# Altium PCB LimeSDR-X3_1v2.PcbDoc (part 14 of 25) (continued)
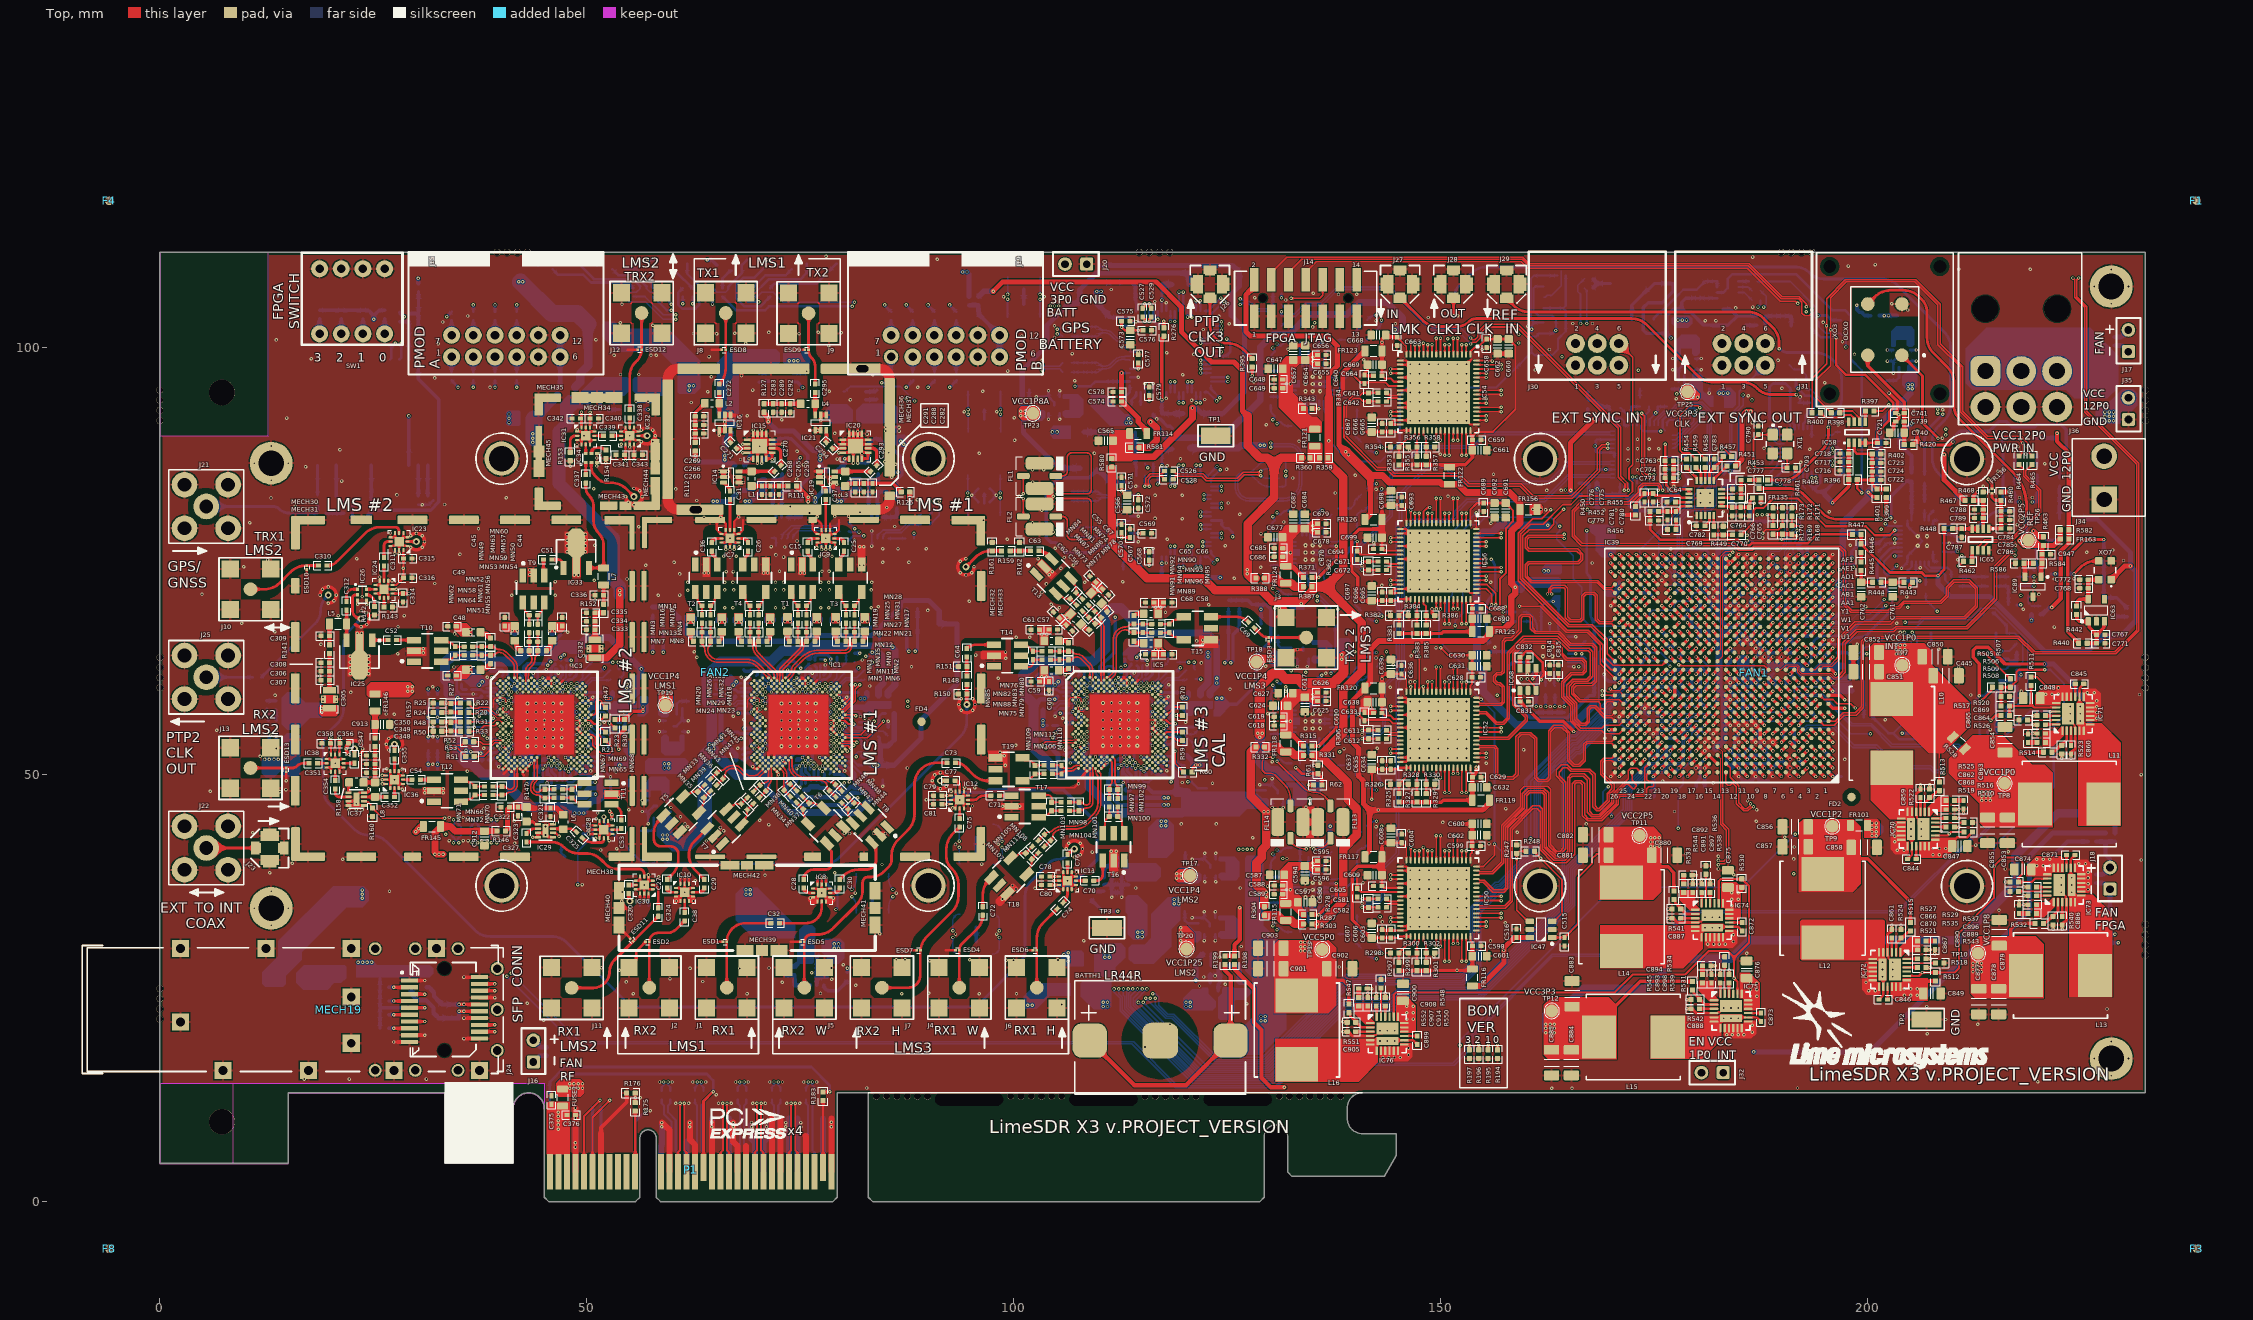
[diagram p0: Top view]
## Nets (pads, with @x,y where several pads share a name; then routed paths per layer and width w, separated by ;. In a path a pad name is that pad's centre, name@x,y a point inside that pad or via, vN(x,y) a via of type N, cw(c..) or ccw(c..) an arc to the next point about the centre after c; other vN are vias at no path point) (continued)
  Bottom w0.254: v1(121.853,97.028) IC49.65@123.078,97.028
LMS2_BB_DAC2_B6_P: IC39.E1 IC49.64 | length 198
  Top w0.4: IC39.E1@195.375,54.275 v1(195.875,53.775)
  L4 w0.1: v1(121.853,97.528) 121.794,97.528 121.644,97.378 121.145,97.378 120.875,97.108 120.875,96.451 121.451,95.875 123.208,95.875 123.475,96.142 123.475,97.575 123.625,97.725 129.175,97.725 129.425,97.475 129.425,95.4 129.225,95.2 127.842,95.2 127.575,94.933 127.575,94.342 127.942,93.975 128.625,93.975 128.909,93.691 128.909,92.659 129.242,92.325 130.942,92.325 132.092,91.175 132.533,91.175 132.825,91.467 132.825,93.15 132.95,93.275 133.538,93.275 134.175,93.275 135.425,92.025 135.792,92.025 136.567,92.8 137.466,92.8 139.016,91.25 139.658,91.25 140.233,91.825 140.941,91.825 142.741,90.025 146.017,90.025 146.542,89.5 146.869,89.5 cw(c146.869,89.285) 147.084,89.285 147.084,89.054 ccw(c147.499,89.054) 147.499,88.639 147.569,88.639 ccw(c147.569,89.054) 147.984,89.054 147.984,90.705 cw(c148.199,90.705) 148.199,90.92 148.269,90.92 cw(c148.269,90.705) 148.484,90.705 148.484,89.915 ccw(c148.899,89.915) 148.899,89.5 148.969,89.5 ccw(c148.969,89.915) 149.384,89.915 149.384,90.636 cw(c149.599,90.636) 149.599,90.851 149.669,90.851 cw(c149.669,90.636) 149.884,90.636 149.884,89.915 ccw(c150.299,89.915) 150.299,89.5 150.369,89.5 ccw(c150.369,89.915) 150.784,89.915 150.784,90.66 cw(c150.999,90.66) 150.999,90.875 151.069,90.875 cw(c151.069,90.66) 151.284,90.66 151.284,89.915 ccw(c151.699,89.915) 151.699,89.5 151.769,89.5 ccw(c151.769,89.915) 152.184,89.915 152.184,90.805 cw(c152.399,90.805) 152.399,91.02 152.469,91.02 cw(c152.469,90.805) 152.684,90.805 152.684,88.859 ccw(c153.099,88.859) 153.099,88.444 153.169,88.444 ccw(c153.169,88.859) 153.584,88.859 153.584,91.288 cw(c153.799,91.288) 153.799,91.503 153.869,91.503 cw(c153.869,91.288) 154.084,91.288 154.084,89.29 ccw(c154.499,89.29) 154.499,88.875 154.569,88.875 ccw(c154.569,89.29) 154.984,89.29 154.984,90.736 cw(c155.199,90.736) 155.199,90.951 155.269,90.951 cw(c155.269,90.736) 155.484,90.736 155.484,89.54 ccw(c155.899,89.54) 155.899,89.125 155.969,89.125 ccw(c155.969,89.54) 156.384,89.54 156.384,91.837 cw(c156.599,91.837) 156.599,92.052 156.669,92.052 cw(c156.669,91.837) 156.884,91.837 156.884,89.915 ccw(c157.299,89.915) 157.299,89.5 157.925,89.5 159.7,91.275 163.592,91.275 164.675,90.192 164.675,86.475 165.225,85.925 167,85.925 167.525,86.45 167.525,93.042 167.783,93.3 168.2,93.3 168.4,93.1 168.4,88.4 169.2,87.6 170.083,87.6 172.133,89.65 174.692,89.65 175.192,89.15 177.342,89.15 177.892,89.7 197.074,89.7 208.875,77.899 208.875,76.842 209.725,75.992 209.725,60.55 204.625,55.45 204.625,54.5 204.344,54.219 203.944,54.219 203.781,54.056 203.781,53.656 203.5,53.375 203.084,53.375 ccw(c203.084,52.965) 202.674,52.965 cw(c202.459,52.965) 202.459,52.75 202.389,52.75 cw(c202.389,52.965) 202.174,52.965 202.174,53.56 ccw(c201.759,53.56) 201.759,53.975 201.689,53.975 ccw(c201.689,53.56) 201.274,53.56 201.274,52.965 cw(c201.059,52.965) 201.059,52.75 200.989,52.75 cw(c200.989,52.965) 200.774,52.965 200.774,53.56 ccw(c200.359,53.56) 200.359,53.975 200.289,53.975 ccw(c200.289,53.56) 199.874,53.56 199.874,52.965 cw(c199.659,52.965) 199.659,52.75 199.589,52.75 cw(c199.589,52.965) 199.374,52.965 199.374,53.56 ccw(c198.959,53.56) 198.959,53.975 198.889,53.975 ccw(c198.889,53.56) 198.474,53.56 198.474,52.965 cw(c198.259,52.965) 198.259,52.75 198.189,52.75 cw(c198.189,52.965) 197.974,52.965 197.974,53.56 ccw(c197.559,53.56) 197.559,53.975 197.489,53.975 ccw(c197.489,53.56) 197.074,53.56 cw(c196.889,53.56) 196.889,53.375 196.275,53.375 v1(195.875,53.775)
  Bottom w0.254: v1(121.853,97.528) IC49.64@123.078,97.528
LMS2_BB_DAC2_B7_N: IC39.B1 IC49.63 | length 198.4
  Top w0.4: IC39.B1@195.375,51.275 v1(195.875,50.775)
  L4 w0.1: v1(121.853,98.028) 121.794,98.028 121.644,98.178 118.103,98.178 117.55,97.625 116.692,97.625 116.375,97.942 116.375,99.683 116.742,100.05 121.983,100.05 123.655,98.378 129.73,98.378 130.05,98.058 130.05,95.117 129.509,94.576 129.509,93.141 129.725,92.925 131.191,92.925 131.566,92.55 132.092,92.55 132.225,92.683 132.225,93.399 132.701,93.875 133.036,93.875 134.424,93.875 134.849,93.45 137.664,93.45 138.664,92.45 141.164,92.45 142.939,90.675 146.65,90.675 146.85,90.875 146.85,93.951 147.199,94.3 147.578,94.3 147.699,94.3 148.125,93.874 148.125,92.375 148.375,92.125 148.9,92.125 149.05,92.275 149.05,93.9 149.45,94.3 149.983,94.3 150.35,93.933 150.35,92.325 150.525,92.15 151,92.15 151.25,92.4 151.25,93.914 151.636,94.3 152.208,94.3 152.55,93.958 152.55,92.333 152.766,92.116 153.966,92.116 154.325,92.475 154.325,94.308 154.592,94.575 155.65,94.575 156.575,93.65 157.358,93.65 157.675,93.333 157.675,90.875 157.875,90.675 158.251,90.675 159.451,91.875 164.775,91.875 165.3,91.35 165.3,86.725 165.475,86.55 166.7,86.55 166.925,86.775 166.925,93.424 167.401,93.9 168.449,93.9 169,93.349 169,89.783 169.508,89.275 170.575,89.275 170.947,89.647 170.947,94.53 171.642,95.225 186.05,95.225 188.925,92.35 193.483,92.35 194.264,91.569 196.668,91.569 212.05,76.187 212.05,62.9 212.75,62.2 212.75,60.592 203.333,51.175 196.275,51.175 v1(195.875,50.775)
  Bottom w0.254: v1(121.853,98.028) IC49.63@123.078,98.028
LMS2_BB_DAC2_B7_P: IC39.C1 IC49.62 | length 197.5
  Top w0.4: IC39.C1@195.375,52.275 v1(195.875,51.775)
  L4 w0.1: v1(121.853,98.528) 121.794,98.528 121.644,98.378 120.738,98.378 120.191,98.925 119.875,98.925 119.328,98.378 118.02,98.378 117.467,97.825 116.775,97.825 116.575,98.025 116.575,99.6 116.825,99.85 121.9,99.85 123.572,98.178 129.647,98.178 129.85,97.975 129.85,95.2 129.309,94.659 129.309,93.059 129.642,92.725 131.108,92.725 131.483,92.35 132.175,92.35 132.425,92.6 132.425,93.316 132.784,93.675 133.119,93.675 134.341,93.675 134.766,93.25 137.581,93.25 138.581,92.25 141.081,92.25 142.856,90.475 146.733,90.475 147.05,90.792 147.05,93.869 147.281,94.1 147.616,94.1 147.925,93.791 147.925,92.292 148.292,91.925 148.983,91.925 149.25,92.192 149.25,93.817 149.533,94.1 149.9,94.1 150.15,93.85 150.15,92.242 150.442,91.95 151.083,91.95 151.45,92.317 151.45,93.831 151.719,94.1 152.125,94.1 152.35,93.875 152.35,92.25 152.684,91.916 154.049,91.916 154.525,92.392 154.525,94.225 154.675,94.375 155.567,94.375 156.492,93.45 157.275,93.45 157.475,93.25 157.475,90.792 157.792,90.475 158.334,90.475 159.534,91.675 164.692,91.675 165.1,91.267 165.1,86.642 165.392,86.35 166.783,86.35 167.125,86.692 167.125,93.341 167.484,93.7 168.366,93.7 168.8,93.266 168.8,89.7 169.425,89.075 170.658,89.075 171.147,89.564 171.147,94.447 171.725,95.025 185.967,95.025 188.725,92.267 188.842,92.15 193.4,92.15 194.181,91.369 196.586,91.369 211.85,76.104 211.85,68.659 211.85,62.817 212.55,62.117 212.55,60.675 203.25,51.375 196.275,51.375 v1(195.875,51.775)
  Bottom w0.254: v1(121.853,98.528) IC49.62@123.078,98.528
LMS2_BB_DAC2_B8_N: IC39.C3 IC49.60 | length 197.2
  Top w0.4: IC39.C3@193.375,52.275 v1(193.875,51.775)
  L4 w0.1: v1(124.303,99.528) 124.245,99.528 124.095,99.678 123.67,99.678 123.475,99.483 123.475,99.125 123.8,98.8 129.874,98.8 130.45,98.224 130.45,94.951 129.925,94.426 129.925,93.675 130.275,93.325 131.586,93.325 132.536,94.275 134.589,94.275 135.014,93.85 137.83,93.85 138.83,92.85 141.33,92.85 143.105,91.075 145.425,91.075 145.75,91.4 145.75,94.967 146.133,95.35 147.277,95.35 147.535,95.35 147.749,95.35 148.1,94.999 148.1,94.55 148.325,94.325 148.8,94.325 149.05,94.575 149.05,95.027 149.373,95.35 149.958,95.35 150.35,94.958 150.35,94.5 150.55,94.3 151,94.3 151.275,94.575 151.275,95.055 151.57,95.35 151.735,95.35 152.09,95.35 152.173,95.35 152.55,94.973 152.55,94.55 152.75,94.35 153.55,94.35 154.2,95 155.791,95 156.741,94.05 157.524,94.05 158.075,93.499 158.075,91.75 158.25,91.575 158.586,91.575 159.286,92.275 159.746,92.275 ccw(c159.746,92.49) 159.961,92.49 159.961,94.748 cw(c160.376,94.748) 160.376,95.163 160.446,95.163 cw(c160.446,94.748) 160.861,94.748 160.861,92.49 ccw(c161.076,92.49) 161.076,92.275 161.146,92.275 ccw(c161.146,92.49) 161.361,92.49 161.361,94.748 cw(c161.776,94.748) 161.776,95.163 161.846,95.163 cw(c161.846,94.748) 162.261,94.748 162.261,92.49 ccw(c162.476,92.49) 162.476,92.275 162.546,92.275 ccw(c162.546,92.49) 162.761,92.49 162.761,94.748 cw(c163.176,94.748) 163.176,95.163 163.246,95.163 cw(c163.246,94.748) 163.661,94.748 163.661,92.49 ccw(c163.876,92.49) 163.876,92.275 165.199,92.275 165.7,91.774 165.7,87.175 165.925,86.95 166.325,86.95 166.525,87.15 166.525,93.589 167.236,94.3 168.614,94.3 169.4,93.514 169.4,90.508 169.633,90.275 170.242,90.275 170.547,90.58 170.547,94.695 171.476,95.625 171.937,95.625 186.233,95.625 189.108,92.75 193.649,92.75 194.43,91.969 196.834,91.969 212.45,76.353 212.45,63.349 213.15,62.649 213.15,60.05 212.65,59.55 212.65,58.667 204.158,50.175 200.105,50.175 cw(c200.105,50.56) 199.72,50.56 ccw(c199.505,50.56) 199.505,50.775 199.435,50.775 ccw(c199.435,50.56) 199.22,50.56 cw(c198.835,50.56) 198.835,50.175 198.705,50.175 cw(c198.705,50.56) 198.32,50.56 ccw(c198.105,50.56) 198.105,50.775 198.035,50.775 ccw(c198.035,50.56) 197.82,50.56 cw(c197.435,50.56) 197.435,50.175 195.667,50.175 195.275,50.567 195.275,51.925 195.025,52.175 194.275,52.175 v1(193.875,51.775)
  Bottom w0.254: IC49.60@123.078,99.528 v1(124.303,99.528)
LMS2_BB_DAC2_B8_P: IC39.D3 IC49.59 | length 197.2
  Top w0.4: IC39.D3@193.375,53.275 v1(193.875,52.775)
  L4 w0.1: v1(124.303,100.028) 124.245,100.028 124.095,99.878 123.588,99.878 123.275,99.565 123.275,99.042 123.717,98.6 129.791,98.6 130.25,98.141 130.25,95.034 129.725,94.509 129.725,93.592 130.192,93.125 131.669,93.125 132.619,94.075 134.506,94.075 134.931,93.65 137.747,93.65 138.747,92.65 141.247,92.65 143.022,90.875 145.508,90.875 145.95,91.317 145.95,94.884 146.216,95.15 147.452,95.15 147.666,95.15 147.9,94.916 147.9,94.467 148.242,94.125 148.883,94.125 149.25,94.492 149.25,94.944 149.456,95.15 149.875,95.15 150.15,94.875 150.15,94.417 150.467,94.1 151.083,94.1 151.475,94.492 151.475,94.973 151.652,95.15 152.09,95.15 152.35,94.89 152.35,94.467 152.667,94.15 153.633,94.15 154.283,94.8 155.708,94.8 156.658,93.85 157.441,93.85 157.875,93.416 157.875,91.667 158.167,91.375 158.669,91.375 159.369,92.075 159.746,92.075 ccw(c159.746,92.49) 160.161,92.49 160.161,94.748 cw(c160.376,94.748) 160.376,94.963 160.446,94.963 cw(c160.446,94.748) 160.661,94.748 160.661,92.49 ccw(c161.076,92.49) 161.076,92.075 161.146,92.075 ccw(c161.146,92.49) 161.561,92.49 161.561,94.748 cw(c161.776,94.748) 161.776,94.963 161.846,94.963 cw(c161.846,94.748) 162.061,94.748 162.061,92.49 ccw(c162.476,92.49) 162.476,92.075 162.546,92.075 ccw(c162.546,92.49) 162.961,92.49 162.961,94.748 cw(c163.176,94.748) 163.176,94.963 163.246,94.963 cw(c163.246,94.748) 163.461,94.748 163.461,92.49 ccw(c163.876,92.49) 163.876,92.075 165.116,92.075 165.5,91.691 165.5,87.092 165.842,86.75 166.408,86.75 166.725,87.067 166.725,93.506 167.319,94.1 168.531,94.1 169.2,93.431 169.2,90.425 169.55,90.075 170.325,90.075 170.747,90.497 170.747,94.613 171.559,95.425 186.15,95.425 189.025,92.55 193.566,92.55 194.347,91.769 196.751,91.769 212.25,76.27 212.25,63.266 212.95,62.566 212.95,60.133 212.45,59.633 212.45,58.75 204.075,50.375 ; v1(193.875,52.775) 194.275,52.375 195.108,52.375 195.475,52.008 195.475,50.65 195.75,50.375 197.435,50.375 ccw(c197.435,50.56) 197.62,50.56 cw(c198.035,50.56) 198.035,50.975 198.105,50.975 cw(c198.105,50.56) 198.52,50.56 ccw(c198.705,50.56) 198.705,50.375 198.835,50.375 ccw(c198.835,50.56) 199.02,50.56 cw(c199.435,50.56) 199.435,50.975 199.505,50.975 cw(c199.505,50.56) 199.92,50.56 ccw(c200.105,50.56) 200.105,50.375 204.058,50.375
  Bottom w0.254: IC49.59@123.078,100.028 v1(124.303,100.028)
LMS2_BB_DAC2_B9_N: IC39.A4 IC49.58 | length 198.4
  Top w0.4: IC39.A4@192.375,50.275 v1(192.875,50.775)
  L4 w0.1: v1(121.853,100.528) 121.794,100.528 121.644,100.678 121.103,100.678 120.675,100.25 117.417,100.25 117.05,100.617 117.05,101.026 117.924,101.9 121.033,101.9 122.408,103.275 122.808,103.275 123.375,102.708 123.375,100.8 123.55,100.625 124.817,100.625 125.225,100.217 125.225,99.4 125.425,99.2 130.558,99.2 130.85,98.908 130.85,94.786 130.35,94.286 130.35,93.875 130.5,93.725 131.42,93.725 132.395,94.7 133.25,94.7 133.425,94.875 133.425,97.408 134.275,98.258 134.275,99.533 134.642,99.9 136.133,99.9 136.475,99.558 136.475,94.451 136.676,94.25 137.996,94.25 138.996,93.25 141.496,93.25 143.271,91.475 145.1,91.475 145.35,91.725 145.35,95.75 146.1,96.5 147.833,96.5 148.175,96.158 148.175,95.625 148.35,95.45 148.8,95.45 149,95.65 149,95.75 149,96.158 149.367,96.525 150.008,96.525 150.325,96.208 150.325,95.675 150.55,95.45 151.025,95.45 151.2,95.625 151.2,96.15 151.525,96.475 153.508,96.475 153.958,96.025 158.158,96.025 158.5,95.683 158.5,92.975 158.725,92.75 159.225,92.75 159.425,92.95 159.425,95.358 159.892,95.825 163.833,95.825 164.2,95.458 164.2,92.858 164.383,92.675 165.975,92.675 166.125,92.825 166.125,94.378 166.447,94.7 168.78,94.7 169.405,94.075 169.966,94.075 170.147,94.255 170.147,95.655 170.517,96.025 171.807,96.025 186.399,96.025 189.274,93.15 193.814,93.15 194.595,92.369 197,92.369 212.85,76.519 212.85,67.806 214.65,66.006 214.65,65.306 213.9,64.556 213.9,58.32 204.555,48.975 195.542,48.975 195.25,49.267 195.25,49.45 195.25,49.95 195,50.2 194.617,50.2 194.275,50.542 194.275,50.925 194.025,51.175 193.275,51.175 v1(192.875,50.775)
  Bottom w0.254: v1(121.853,100.528) IC49.58@123.078,100.528
LMS2_BB_DAC2_B9_P: IC39.B4 IC49.57 | length 197.5
  Top w0.4: IC39.B4@192.375,51.275 v1(192.875,51.775)
  L4 w0.1: v1(121.853,101.028) 121.794,101.028 121.644,100.878 121.02,100.878 120.592,100.45 119.819,100.45 119.369,100.9 118.723,100.9 118.273,100.45 117.5,100.45 117.25,100.7 117.25,100.944 118.006,101.7 121.116,101.7 122.491,103.075 122.725,103.075 123.175,102.625 123.175,100.717 123.467,100.425 124.734,100.425 125.025,100.134 125.025,99.175 125.2,99 130.475,99 130.65,98.825 130.65,94.869 130.15,94.369 130.15,93.792 130.417,93.525 131.503,93.525 132.478,94.5 133.333,94.5 133.625,94.792 133.625,97.325 134.475,98.175 134.475,99.45 134.725,99.7 136.05,99.7 136.275,99.475 136.275,94.369 136.594,94.05 137.913,94.05 138.913,93.05 141.413,93.05 143.188,91.275 145.183,91.275 145.55,91.642 145.55,95.667 146.183,96.3 147.75,96.3 147.975,96.075 147.975,95.542 148.267,95.25 148.883,95.25 149.2,95.567 149.2,95.833 149.2,96.075 149.45,96.325 149.925,96.325 150.125,96.125 150.125,95.592 150.467,95.25 151.108,95.25 151.4,95.542 151.4,96.067 151.608,96.275 153.425,96.275 153.875,95.825 158.075,95.825 158.3,95.6 158.3,92.892 158.642,92.55 159.308,92.55 159.625,92.867 159.625,95.275 159.975,95.625 163.75,95.625 164,95.375 164,92.775 164.3,92.475 166.058,92.475 166.325,92.742 166.325,94.296 166.529,94.5 168.697,94.5 169.322,93.875 170.049,93.875 170.347,94.173 170.347,95.572 170.6,95.825 171.907,95.825 186.316,95.825 189.191,92.95 193.731,92.95 194.513,92.169 196.917,92.169 212.65,76.436 212.65,67.724 214.45,65.924 214.45,65.389 213.7,64.639 213.7,58.403 204.472,49.175 195.625,49.175 195.45,49.35 195.45,50.033 195.083,50.4 194.7,50.4 194.475,50.625 194.475,51.008 194.108,51.375 193.275,51.375 v1(192.875,51.775)
  Bottom w0.254: v1(121.853,101.028) IC49.57@123.078,101.028
LMS2_BB_DAC2_B10_N: IC39.A2 IC49.56 | length 197.5
  Top w0.4: IC39.A2@194.375,50.275 v1@194.875,49.775
  L4 w0.1: v1(124.303,101.528) 124.362,101.528 124.512,101.678 125.014,101.678 125.675,101.017 125.675,100.375 125.425,100.125 125.425,99.575 125.6,99.4 130.825,99.4 131.05,99.175 131.05,95.292 131.392,94.95 132.933,94.95 133.225,95.242 133.225,97.492 133.7,97.967 133.7,102.311 134.989,103.6 136.55,103.6 136.675,103.475 136.675,97.149 136.675,94.892 137.042,94.525 138.017,94.525 139.017,93.525 139.958,93.525 140.575,94.142 140.575,99.251 140.849,99.525 141.425,99.525 141.7,99.25 141.7,93.342 142.117,92.925 144.783,92.925 145.15,93.292 145.15,97.225 145.35,97.425 147.725,97.425 147.95,97.2 147.95,96.666 148.316,96.3 148.799,96.3 149.225,96.726 149.225,97.25 149.4,97.425 149.9,97.425 150.15,97.175 150.15,96.666 150.466,96.35 151.117,96.35 151.442,96.675 151.442,97.234 151.591,97.384 155.691,97.384 156.85,96.225 158.05,96.225 158.375,96.55 158.375,97.792 158.683,98.1 159.042,98.1 159.4,97.742 159.4,96.867 159.4,96.517 159.767,96.15 161.383,96.15 161.85,96.617 161.85,98.375 162.1,98.625 162.975,98.625 163.425,98.175 163.425,96.942 164.45,95.917 164.45,93.342 164.767,93.025 165.558,93.025 165.85,93.317 165.85,94.65 166.1,94.9 169.533,94.9 169.925,95.292 169.925,95.975 170.275,96.325 186.475,96.325 189.45,93.35 193.897,93.35 194.678,92.569 197.083,92.569 213.05,76.601 213.05,67.889 214.85,66.089 214.85,65.224 214.2,64.574 214.2,58.283 204.692,48.775 194.608,48.775 194.475,48.908 194.475,49.375 v1(194.875,49.775)
  Bottom w0.254: IC49.56@123.078,101.528 v1(124.303,101.528)
LMS2_BB_DAC2_B10_P: IC39.A3 IC49.55 | length 197.8
  Top w0.4: IC39.A3@193.375,50.275 v1(193.875,49.775)
  L4 w0.1: v1(124.303,102.028) 124.362,102.028 124.512,101.878 ; v1@124.437,101.953 124.512,101.878 ; v1(193.875,49.775) 194.275,49.375 194.275,48.825 194.525,48.575 204.775,48.575 214.4,58.2 214.4,64.491 215.05,65.141 215.05,66.172 213.25,67.972 213.25,76.694 197.459,92.484 197.45,92.484 197.166,92.769 194.761,92.769 193.98,93.55 189.533,93.55 186.558,96.525 170.192,96.525 170.092,96.425 169.725,96.058 169.725,95.375 169.45,95.1 166.017,95.1 165.65,94.733 165.65,93.4 165.475,93.225 164.85,93.225 164.65,93.425 164.65,96 163.625,97.025 163.625,98.258 163.058,98.825 162.017,98.825 161.65,98.458 161.65,98.1 161.65,96.7 161.3,96.35 159.85,96.35 159.6,96.6 159.6,97.825 159.125,98.3 158.6,98.3 158.175,97.875 158.175,96.633 157.967,96.425 156.933,96.425 155.774,97.584 151.509,97.584 151.242,97.317 151.242,96.758 151.034,96.55 150.549,96.55 150.35,96.749 150.35,97.258 149.983,97.625 149.317,97.625 149.025,97.333 149.025,96.809 148.716,96.5 148.399,96.5 148.15,96.749 148.15,97.283 147.808,97.625 145.267,97.625 144.95,97.308 144.95,93.375 144.7,93.125 142.2,93.125 141.9,93.425 141.9,99.333 141.508,99.725 140.766,99.725 140.375,99.334 140.375,94.225 139.875,93.725 139.1,93.725 138.1,94.725 137.125,94.725 136.875,94.975 136.875,97.149 136.875,99.958 136.875,103.558 136.633,103.8 134.906,103.8 133.5,102.394 133.5,98.05 133.025,97.575 133.025,95.325 132.85,95.15 131.475,95.15 131.25,95.375 131.25,99.258 130.908,99.6 126.558,99.6 125.875,100.283 125.875,101.1 125.097,101.878 124.512,101.878
  Bottom w0.254: IC49.55@123.078,102.028 v1(124.303,102.028)
LMS2_BB_DAC2_B11_N: IC39.A5 IC49.54 | length 197.8
  Top w0.4: IC39.A5@191.375,50.275 v1@191.875,49.775
  L4 w0.1: v1(124.303,102.528) 124.245,102.528 124.095,102.678 123.753,102.678 123.1,103.331 123.1,103.933 123.467,104.3 125.633,104.3 126.375,103.558 126.375,100.4 126.775,100 129.025,100 129.375,100.35 129.375,102.175 129.675,102.475 131.35,102.475 131.7,102.125 131.7,98.65 132.125,98.225 132.65,98.225 133.075,98.65 133.075,102.534 134.816,104.275 137.058,104.275 137.375,103.958 137.375,95.35 137.6,95.125 139.475,95.125 139.975,95.625 139.975,99.5 140.6,100.125 141.674,100.125 142.35,99.449 142.35,93.8 142.55,93.6 144.4,93.6 144.525,93.725 144.525,98.408 144.892,98.775 147.758,98.775 148.15,98.383 148.15,97.849 148.349,97.65 148.776,97.65 149.025,97.899 149.025,98.397 149.403,98.775 149.908,98.775 150.35,98.333 150.35,97.875 150.575,97.65 150.966,97.65 151.2,97.884 151.2,98.46 151.715,98.975 160.125,98.975 161.725,100.575 163.8,100.575 165.15,101.925 188.6,101.925 193.9,96.625 193.9,94.2 194.925,93.175 197.334,93.175 213.65,76.859 213.65,68.138 215.45,66.338 215.45,64.975 214.975,64.5 214.975,58.2 204.95,48.175 193.65,48.175 193.35,48.475 193.175,48.65 193.175,49.775 192.775,50.175 192.275,50.175 v1(191.875,49.775)
  Bottom w0.254: IC49.54@123.078,102.528 v1(124.303,102.528)
LMS2_BB_DAC2_B11_P: IC39.B5 IC49.53 | length 197.6
  Top w0.4: IC39.B5@191.375,51.275 v1(191.875,50.775)
  L4 w0.1: v1(124.303,103.028) 124.245,103.028 124.095,102.878 123.836,102.878 123.675,103.039 123.3,103.414 123.3,103.85 123.55,104.1 125.55,104.1 126.175,103.475 126.175,102.75 125.963,102.538 125.563,102.538 125.325,102.3 125.325,101.95 126.175,101.1 126.175,100.317 126.692,99.8 129.45,99.8 129.575,99.925 129.575,102.092 129.758,102.275 131.267,102.275 131.5,102.042 131.5,98.567 132.042,98.025 132.733,98.025 133.275,98.567 133.275,102.451 134.899,104.075 136.975,104.075 137.175,103.875 137.175,95.267 137.517,94.925 139.558,94.925 140.175,95.542 140.175,99.417 140.683,99.925 141.591,99.925 142.15,99.366 142.15,93.717 142.467,93.4 144.483,93.4 144.725,93.642 144.725,98.325 144.975,98.575 147.675,98.575 147.95,98.3 147.95,97.766 148.266,97.45 148.859,97.45 149.225,97.816 149.225,98.314 149.486,98.575 149.825,98.575 150.15,98.25 150.15,97.792 150.492,97.45 151.049,97.45 151.4,97.801 151.4,98.377 151.798,98.775 160.208,98.775 161.808,100.375 163.883,100.375 165.233,101.725 188.517,101.725 193.7,96.542 193.7,94.117 194.842,92.975 197.251,92.975 213.45,76.776 213.45,68.055 215.25,66.255 215.25,65.058 214.775,64.583 214.775,58.283 204.867,48.375 193.733,48.375 193.375,48.733 193.375,49.858 192.858,50.375 192.275,50.375 v1(191.875,50.775)
  Bottom w0.254: IC49.53@123.078,103.028 v1(124.303,103.028)
LMS2_BB_DAC2_B12_N: IC39.G6 IC49.52 | length 197.4
  Top w0.4: IC39.G6@190.375,56.275 v1(190.875,56.775)
  L4 w0.1: v1@124.582,105.449 124.623,105.491 124.623,105.703 124.845,105.925 125.145,106.225 126.9,106.225 128.6,104.525 129.733,104.525 130.058,104.525 130.525,104.992 130.525,105.317 130.525,105.875 130.925,106.275 134.125,106.275 134.65,105.75 137.45,105.75 138.919,104.281 142.935,104.281 143.015,104.281 ccw(c143.015,104.741) 143.475,104.741 143.475,106.165 cw(c143.735,106.165) 143.735,106.425 143.815,106.425 cw(c143.815,106.165) 144.075,106.165 144.075,104.283 ccw(c144.535,104.283) 144.535,103.823 144.615,103.823 ccw(c144.615,104.283) 145.075,104.283 145.075,106.165 cw(c145.335,106.165) 145.335,106.425 145.415,106.425 cw(c145.415,106.165) 145.675,106.165 145.675,104.283 ccw(c146.135,104.283) 146.135,103.823 146.215,103.823 ccw(c146.215,104.283) 146.675,104.283 146.675,106.165 cw(c146.935,106.165) 146.935,106.425 147.015,106.425 cw(c147.015,106.165) 147.275,106.165 147.275,104.283 ccw(c147.735,104.283) 147.735,103.823 147.815,103.823 ccw(c147.815,104.283) 148.275,104.283 148.275,106.165 cw(c148.535,106.165) 148.535,106.425 148.615,106.425 cw(c148.615,106.165) 148.875,106.165 148.875,104.283 ccw(c149.335,104.283) 149.335,103.823 149.415,103.823 ccw(c149.415,104.283) 149.875,104.283 149.875,106.165 cw(c150.135,106.165) 150.135,106.425 166.992,106.425 169.442,103.975 171.63,103.975 ccw(c171.63,104.345) 172,104.345 172,104.897 cw(c172.17,104.897) 172.17,105.067 172.23,105.067 cw(c172.23,104.897) 172.4,104.897 172.4,104.345 ccw(c172.77,104.345) 172.77,103.975 172.83,103.975 ccw(c172.83,104.345) 173.2,104.345 173.2,105.316 cw(c173.37,105.316) 173.37,105.486 173.43,105.486 cw(c173.43,105.316) 173.6,105.316 173.6,104.345 ccw(c173.97,104.345) 173.97,103.975 176.942,103.975 177.317,103.6 188.444,103.6 214.65,77.394 214.65,68.67 216.915,66.405 216.915,63.64 216.275,63 216.275,56.136 207.314,47.175 191.4,47.175 189.475,49.1 189.475,52 189.625,52.15 190.033,52.15 190.475,52.592 190.475,54.008 190.108,54.375 189.725,54.375 189.525,54.575 189.525,56.92 189.73,57.125 190.1,57.125 190.45,56.775 v1(190.875,56.775)
  Bottom w0.254: IC49.52@123.078,103.528 123.078,103.903 v1(124.603,105.428)
LMS2_BB_DAC2_B12_P: IC39.H6 IC49.51 | length 198.6
  Top w0.4: v1(189.875,57.775) IC39.H6@190.375,57.275
  L4 w0.1: v1(124.228,105.803) 124.27,105.844 124.482,105.844 125.062,106.425 126.983,106.425 128.683,104.725 129.975,104.725 130.325,105.075 130.325,105.958 130.842,106.475 134.208,106.475 134.733,105.95 137.533,105.95 139.002,104.481 143.015,104.481 ccw(c143.015,104.741) 143.275,104.741 143.275,106.165 cw(c143.735,106.165) 143.735,106.625 143.815,106.625 cw(c143.815,106.165) 144.275,106.165 144.275,104.283 ccw(c144.535,104.283) 144.535,104.023 144.615,104.023 ccw(c144.615,104.283) 144.875,104.283 144.875,106.165 cw(c145.335,106.165) 145.335,106.625 145.415,106.625 cw(c145.415,106.165) 145.875,106.165 145.875,104.283 ccw(c146.135,104.283) 146.135,104.023 146.215,104.023 ccw(c146.215,104.283) 146.475,104.283 146.475,106.165 cw(c146.935,106.165) 146.935,106.625 147.015,106.625 cw(c147.015,106.165) 147.475,106.165 147.475,104.283 ccw(c147.735,104.283) 147.735,104.023 147.815,104.023 ccw(c147.815,104.283) 148.075,104.283 148.075,106.165 cw(c148.535,106.165) 148.535,106.625 148.615,106.625 cw(c148.615,106.165) 149.075,106.165 149.075,104.283 ccw(c149.335,104.283) 149.335,104.023 149.415,104.023 ccw(c149.415,104.283) 149.675,104.283 149.675,106.165 cw(c150.135,106.165) 150.135,106.625 167.075,106.625 169.525,104.175 171.63,104.175 ccw(c171.63,104.345) 171.8,104.345 171.8,104.897 cw(c172.17,104.897) 172.17,105.267 172.23,105.267 cw(c172.23,104.897) 172.6,104.897 172.6,104.345 ccw(c172.77,104.345) 172.77,104.175 172.83,104.175 ccw(c172.83,104.345) 173,104.345 173,105.316 cw(c173.37,105.316) 173.37,105.686 173.43,105.686 cw(c173.43,105.316) 173.8,105.316 173.8,104.345 ccw(c173.97,104.345) 173.97,104.175 177.025,104.175 177.4,103.8 188.527,103.8 214.85,77.477 214.85,68.753 217.115,66.488 217.115,63.557 216.475,62.917 216.475,56.053 207.397,46.975 191.317,46.975 189.275,49.017 189.275,49.375 189.275,52.083 189.542,52.35 189.95,52.35 190.275,52.675 190.275,53.925 190.025,54.175 189.642,54.175 189.325,54.492 189.325,55.95 189.175,56.1 189.175,56.441 189.325,56.591 189.325,56.82 189.15,56.995 189.15,57.45 189.475,57.775 v1(189.875,57.775)
  Bottom w0.254: IC49.51@122.328,104.278 122.703,104.278 v1(124.228,105.803)